# Altium PCB PCB.PcbDoc
Units mil, origin at the board's own origin, x right, y up, seen from the top; angles counter-clockwise.
Board outline 7677.17 x 4527.56 mil, 2 copper layers (Top Layer, Bottom Layer); 46 components, 43 nets, 171 pads, 2 vias.
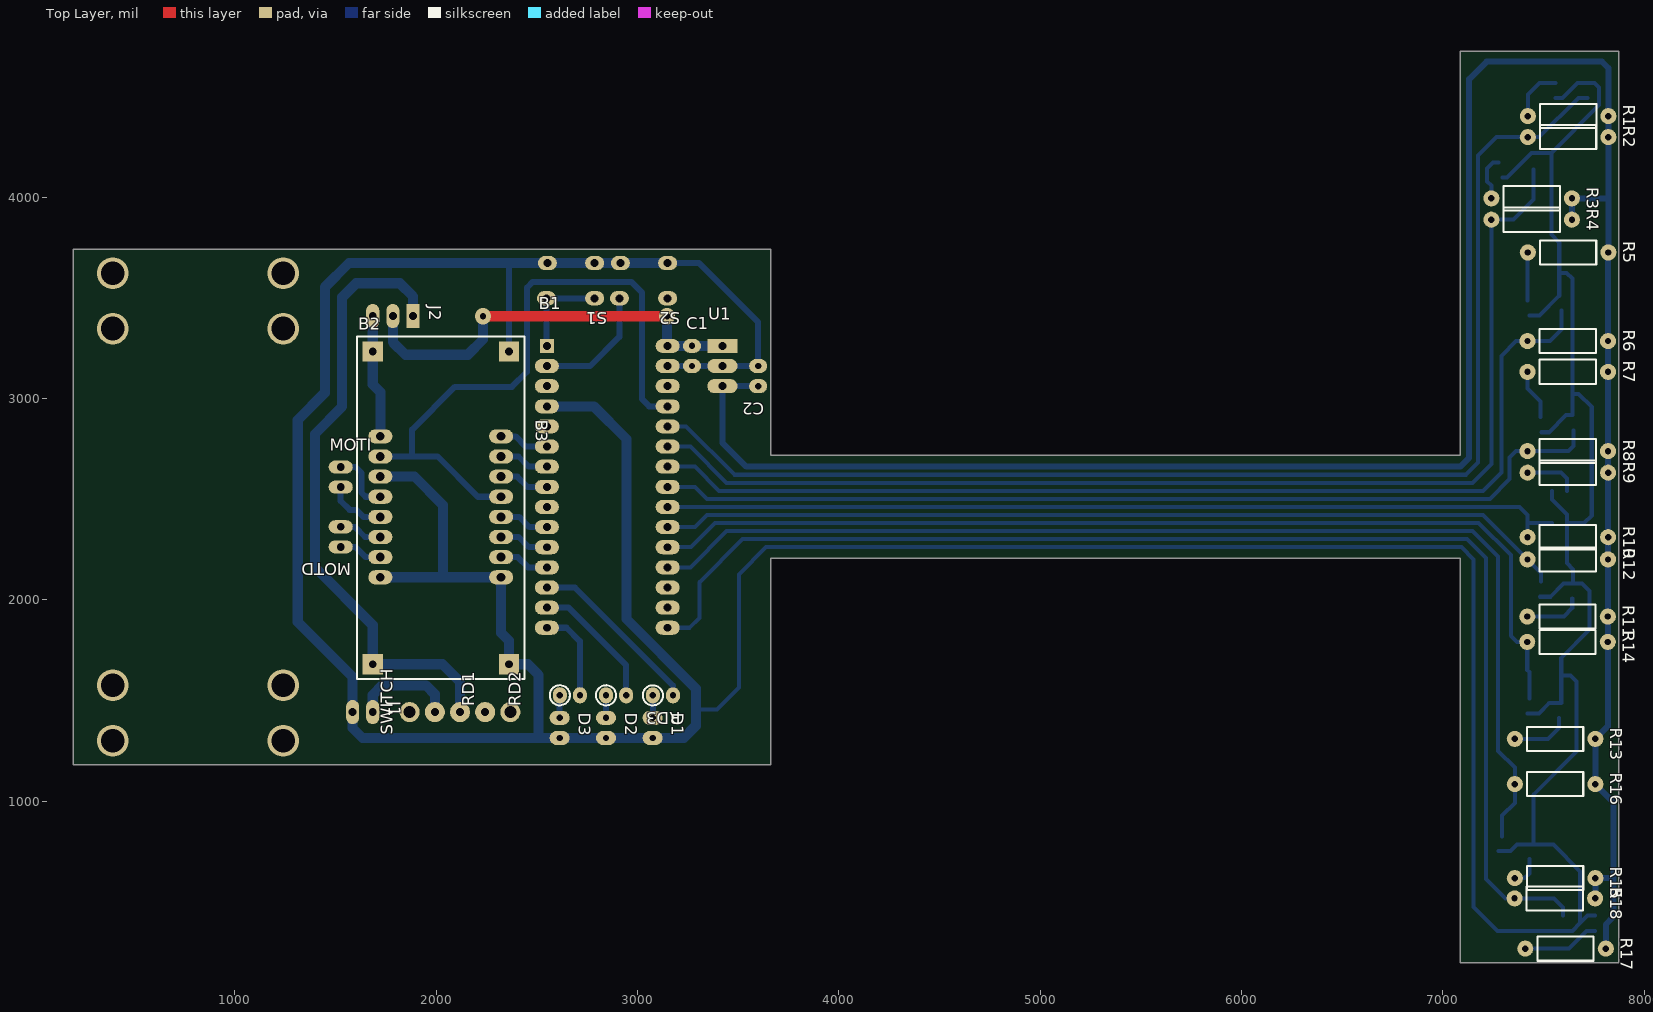
[diagram p0: Top Layer view]
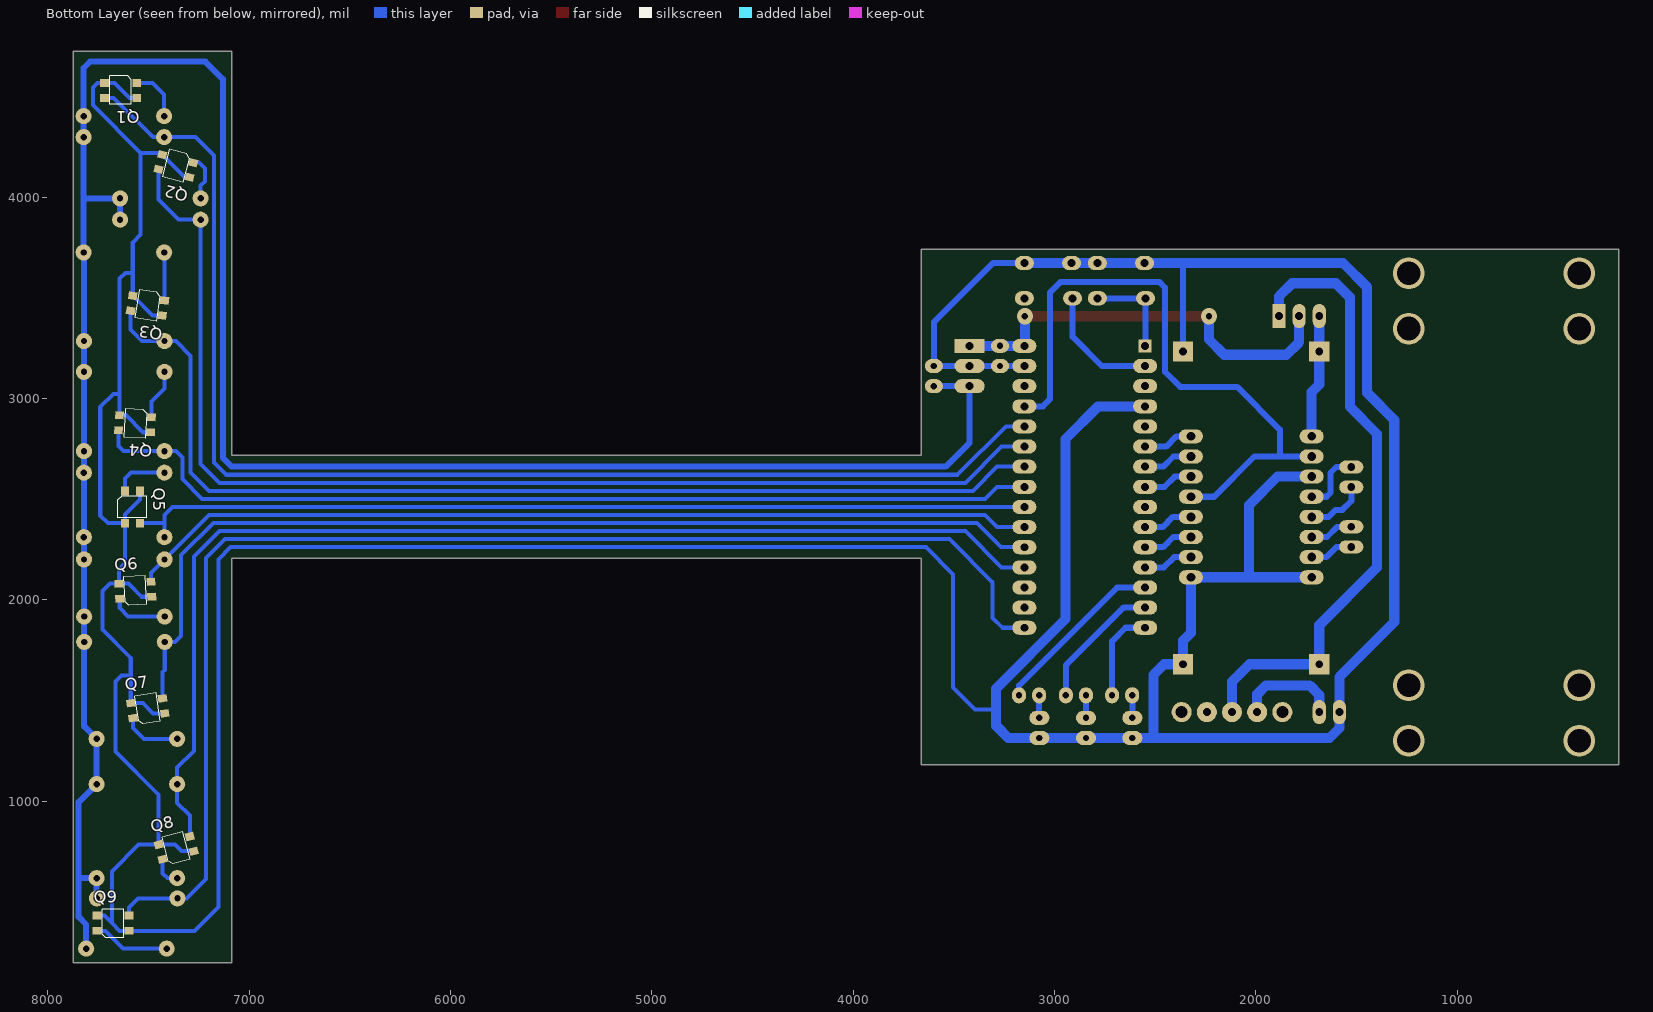
[diagram p1: Bottom Layer view, seen from below]

## Layer stack, top to bottom
Top Solder: solder mask 0.4, Solder Resist, Dk 3.5
Top Layer: signal copper 1.4
Dielectric 1: dielectric 12.6, FR-4, Dk 4.8
Bottom Layer: signal copper 1.4
Bottom Solder: solder mask 0.4, Solder Resist, Dk 3.5

## Board outline
196.85,1181.1 196.85,3740.16 3661.42,3740.16 3661.42,2716.54 7086.61,2716.54 7086.61,4724.41 7874.02,4724.41 7874.02,196.85 7086.61,196.85 7086.61,2204.72 3661.42,2204.72 3661.42,1181.1

## Design rules (kind name [scope] priority, off if disabled: settings)
Clearance [All] p1: gap=10
PolygonConnect [All] p1: connectstyle=Relief reliefconductorwidth=10 reliefentries=4 polygonreliefangle="90 Angle" airgapwidth=10
RoutingVias [All] p1: holewidth=31.5 width=80 viastyle="Through Hole" minholewidth=31.5 minwidth=80 maxholewidth=31.5 maxwidth=80
SolderMaskExpansion [All] p1: expansion=4
Width [All] p1: maxlimit=50 minlimit=20 preferedwidth=30
30 further rules are at their usual default settings.

## Components (designator, comment, footprint, x,y, rotation, side; value= is the part's Value field where it differs from the comment)
B1 "ARDUINO NANO" "ARDUINO NANO" 2849.61,2560.63 r0 top
B2 "XL6009" "XL6009 MDL" 1987.6,2461.26 r90 top
B3 "ROB-14450" ROB14450 2022.44,2461.42 r270 top
C1 "CAP-CER" CAP-CER 3270.83,3225.63 r90 top
C2 "CAP-CER" CAP-CER 3599.21,3095.63 r270 top
D1 "LED" LED-3MM-GREEN 3074.94,1363.08 r270 top
D2 "LED" LED-3MM-YELLOW 2843.68,1363.1 r270 top
D3 "LED" LED-3MM-RED 2613.2,1363.07 r270 top
J1 "Header 1x2" "HEADER 1x2" 1634.6,1441.93 r270 top
J2 "Jumper" "Header 1x3" 1884.6,3409.03 r270 top
MOTD "Header 1x2" "HEADER 1x2" 1525.59,2312.2 r180 top
MOTI "Header 1x2" "HEADER 1x2" 1525.59,2609.06 r0 top
Q1 "QRE1113GR" QRE1113GR 7638.19,4528.74 r0 bottom
Q2 "QRE1113GR" QRE1113GR 7363.36,4153.65 r14.5 bottom
Q3 "QRE1113GR" QRE1113GR 7504.46,3460.09 r8.5 bottom
Q4 "QRE1113GR" QRE1113GR 7566.12,2873.43 r3.5 bottom
Q5 "QRE1113GR" QRE1113GR 7578.74,2460.63 r270 bottom
Q6 "QRE1113GR" QRE1113GR 7566.13,2047.83 r176.5 bottom
Q7 "QRE1113GR" QRE1113GR 7504.47,1461.17 r171.5 bottom
Q8 "QRE1113GR" QRE1113GR 7363.36,767.61 r165.5 bottom
Q9 "QRE1113GR" QRE1113GR 7677.17,393.7 r180 bottom
R1 "RES" RES-Axial-400mil 7422.44,4401.97 r0 top
R2 "RES" RES-Axial-400mil 7422.05,4297.64 r0 top
R3 "RES" RES-Axial-400mil 7241.34,3993.7 r0 top
R4 "RES" RES-Axial-400mil 7241.34,3887.4 r0 top
R5 "RES" RES-Axial-400mil 7422.05,3724.72 r0 top
R6 "RES" RES-Axial-400mil 7420.55,3284.65 r0 top
R7 "RES" RES-Axial-400mil 7420.55,3131.89 r0 top
R8 "RES" RES-Axial-400mil 7420.55,2737.8 r0 top
R9 "RES" RES-Axial-400mil 7420.87,2630.71 r0 top
R10 "RES" RES-Axial-400mil 7420.87,2310.24 r0 top
R11 "RES" RES-Axial-400mil 7419.39,1916.14 r0 top
R12 "RES" RES-Axial-400mil 7420.47,2200 r0 top
R13 "RES" RES-Axial-400mil 7357.48,1308.66 r0 top
R14 "RES" RES-Axial-400mil 7419.29,1790.16 r0 top
R15 "RES" RES-Axial-400mil 7357.48,616.93 r0 top
R16 "RES" RES-Axial-400mil 7357.48,1083.86 r0 top
R17 "RES" RES-Axial-400mil 7409.45,266.54 r0 top
R18 "RES" RES-Axial-400mil 7356.3,516.54 r0 top
RD1 "RES" RES-RADIAL 2663.82,1525.3 r180 top
RD2 "RES" RES-RADIAL 2893.51,1525.08 r180 top
RD3 "RES" RES-RADIAL 3125.95,1524.91 r180 top
S1 "BUTTON_SMALL_4PIN" TACT_SWITCH-SMALL-4PIN 2787.17,3672.12 r180 top
S2 "BUTTON_SMALL_4PIN" TACT_SWITCH-SMALL-4PIN 3149.61,3672.12 r180 top
SWITCH "SLIDE-SWITCH" SWITCH 2118.11,1441.93 r180 top
U1 "LM7805" TO-220-STRAIGHT 3421.65,3260.63 r0 top

## Footprints (in the part's own frame and the unit in brackets; to place one, negate y for a bottom-side part, rotate by r counter-clockwise, add the part's x,y. Pads: shape width x height; smd on the part's side, far side on the other; paste and mask are expansions set on the pad)
"ARDUINO NANO" [mil]
  rect 70x70 / inner round 63.62 / far side rect 63.62x63.62 hole 39.37: 1(-300,700)
  oval 120x70 hole 39.37: 2(-300,600) 3(-300,500) 4(-300,400) 5(-300,300) 6(-300,200) 7(-300,100) 8(-300,0) 9(-300,-100) 10(-300,-200) 11(-300,-300) 12(-300,-400) 13(-300,-500) 14(-300,-600) 15(-300,-700) 16(300,-700) 17(300,-600) 18(300,-500) 19(300,-400) 20(300,-300) 21(300,-200) 22(300,-100) 23(300,0) 24(300,100) 25(300,200) 26(300,300) 27(300,400) 28(300,500) 29(300,600) 30(300,700)
  body extent -351,-924 358,847, height 496
CAP-CER [mil]
  oval 70x90 hole 31.5: 1(-65,0) 2(35,0)
  body extent -107,-44 87,34, height 207
"HEADER 1x2" [mil]
  oval 120x65 hole 39.37: 1(0,50) 2(0,-50)
  body extent -49,-100 49,100, height 336
"Header 1x3" [mil]
  rect 120x65 hole 39.37: 1(0,0)
  oval 120x65 hole 39.37: 2(0,-100) 3(0,-200)
  body extent -49,-250 49,50, height 336
LED-3MM-GREEN [mil]
  oval 70x100 hole 31.5: A(-50,0) K(50,0)
  body extent -66,-65 64,65, height 217
LED-3MM-RED [mil]
  oval 70x100 hole 31.5: A(-50,0) K(50,0)
  body extent -66,-65 64,65, height 217
LED-3MM-YELLOW [mil]
  oval 70x100 hole 31.5: A(-50,0) K(50,0)
  body extent -66,-65 64,65, height 217
QRE1113GR [mm]
  rect 1.1x1 smd: A(-2.01,-0.97) C(2.04,0.94) E(-2.01,0.94) K(2.04,-0.97)
  silkscreen extent -1.35,-1.85 1.35,1.75, body extent -2.4,-1.8 2.4,1.8, height 1.83
RES-Axial-400mil [mil]
  round 80 hole 31.5: 1(0,0) 2(400,0)
  silkscreen extent 60,-60 340,60, body extent -12,-44 410,44, height 94
RES-RADIAL [mil]
  oval 70x80 hole 31.5: 1(-50,0) 2(50,0)
  silkscreen extent 0,-50 100,50, body extent -100,-50 100,50
ROB14450 [mil]
  oval 70x120 hole 43.7: 1(-350,-300) 2(-250,-300) 3(-150,-300) 4(-50,-300) 5(50,-300) 6(150,-300) 7(250,-300) 8(350,-300) 9(-350,300) 10(-250,300) 11(-150,300) 12(-50,300) 13(50,300) 14(150,300) 15(250,300) 16(350,300)
  body extent -400,-400 400,400, height 236
SWITCH [mm]
  round 2.54 hole 1: 1(-3.175,0) 2(0,0) 3(3.175,0)
  round 2.54 hole 1.5: 4(-6.35,0) 4(6.35,0)
  body extent -7,-3.1 7,3.1, height 9.65
TACT_SWITCH-SMALL-4PIN [mm]
  oval 2.4x1.8 hole 1: 1(0,4.445) 1(6.096,4.445) 2(0,0) 2(5.969,0)
  body extent -0.94,-0.79 7.04,5.21, height 5.15
TO-220-STRAIGHT [mil]
  rect 150x70 hole 39.37: 1(0,0)
  oval 150x70 hole 39.37: 2(0,-100) 3(0,-200)
  body extent -64,-305 114,101, height 661
"XL6009 MDL" [mil]
  rect 100x100 hole 39.37: 0(-782,303) 1(-782,-373) 2(772,-373) 3(772,303)
  silkscreen extent -855,-450 845,380, body extent -855,-450 845,380, height 502

## Part data
B2: library part "XL6009 Module"
B3: "Power Management IC Development Tools SparkFun MotorDriver Dual TB6612FNG Head."
J2: library part "Header 1x3"
U1: library part LM78XX

## Free pads (board coordinates)
  round 157.48 hole 118.11: 0(393.7,1299.21) 1(393.7,3622.05) 2(393.7,1574.8) 3(393.7,3346.46) 4(1240.16,3622.05) 5(1240.16,3346.46) 6(1240.16,1574.8) 7(1240.16,1299.21)

## Via types
v1: diameter 80, hole 31.5, Top Layer to Bottom Layer, 2 vias

## Nets (pads, with @x,y where several pads share a name; then routed paths per layer and width w, separated by ;. In a path a pad name is that pad's centre, name@x,y a point inside that pad or via, vN(x,y) a via of type N, cw(c..) or ccw(c..) an arc to the next point about the centre after c; other vN are vias at no path point)
BAT: B2.0 J2.1 SWITCH.2 | length 3123.7
  Bottom Layer w50: J2.1 1884.6,3506.79 1819.48,3571.9 1602.16,3571.9 1533.02,3502.76 1533.02,2959.08 1397.32,2823.38 1397.32,2160.97 1684.6,1873.68 B2.0 2031.37,1679.26 2118.11,1592.52 SWITCH.2
BTN1: B1.1 S1.1 | length 476.5
  Bottom Layer w30: B1.1@2547.17,3260.63 2547.17,3497.12 S1.1@2787.17,3497.12
BTN2: B1.2 S2.1 | length 613.7
  Bottom Layer w30: B1.2@2547.17,3160.63 B1.2 2764.1,3160.63 2909.61,3306.14 S2.1@2909.61,3497.12
GND: B1.4 B1.29 B2.1 B2.2 B3.3 B3.8 B3.16 C1.1 C2.1 D1.K D2.K D3.K J1.2 Q1.E Q1.K Q2.E Q2.K Q3.E Q3.K Q4.E Q4.K Q5.E Q5.K Q6.E Q6.K Q7.E Q7.K Q8.E Q8.K Q9.E Q9.K S1.2 S2.2 U1.2 | length 25742.4
  Bottom Layer w20: 3289.76,1454.72 3394.49,1454.72 3503.94,1564.17 3503.94,2125.98 3638.58,2260.63 7091.73,2260.63 7153.15,2199.21 7153.15,474.02 7271.65,355.51 Q9.K 7642.91,355.51 7681.69,394.29 ; Q8.K 7336.18,750.74 7369.06,783.62 Q8.E ; Q2.E 7318.83,4098.01 7440.11,4219.29 7539.37,4219.29 7776.38,4456.3 7776.38,4544.49 7753.94,4566.93 7668.5,4566.93 7593.31,4491.73 Q1.E ; Q7.K 7477.79,1435.27 7528.6,1486.08 Q7.E 7588.2,1622.44 ; Q3.E 7480.31,3411.79 Q3.K 7578.25,3623.62 ; Q6.K 7533.91,2014.62 7599.23,2079.94 Q6.E ; Q4.E 7526.54,2831.66 7611.33,2916.45 Q4.K 7643.96,3022.83 ; 7539.37,4210.73 7539.37,3813.78 7578.25,3774.9 7578.25,3623.62 ; Q5.E 7541.73,2497.64 7616.93,2422.44 Q5.K ; Q9.E 7718.11,430.71 7681.69,394.29 ; Q8.E 7548.66,783.62 7681.69,650.59 7681.69,394.29 ; Q8.E 7449.24,1031.13 7662.99,1244.88 7662.99,1593.31 7633.86,1622.44 7588.2,1622.44 ; 7578.25,3623.62 7614.96,3623.62 7643.96,3594.62 7643.96,3022.83 ; 7588.2,1622.44 7588.2,1710.25 7729.13,1851.18 7729.13,2042.13 7691.32,2079.94 Q6.E ; Q5.K 7701.57,2380.32 7739.76,2418.5 7739.76,2957.09 7674.02,3022.83 7643.96,3022.83 ; Q5.K 7616.93,2181.1 7647.37,2150.66 Q6.E
  Bottom Layer w30: B2.2 2360.6,3672.12 ; B1.29 C1.1 U1.2 C2.1 ; S2.2@3149.61,3672.12 3306.23,3672.12 3599.21,3379.13 3599.21,3168.3 C2.1@3606.88,3160.63
  Bottom Layer w50: B3.8 2033.03,2111.42 ; B3.3 1891.71,2611.42 2033.03,2470.09 2033.03,2111.42 ; B1.4 2783.07,2960.63 2945.28,2798.43 2945.28,1903.94 3289.76,1559.45 3289.76,1454.72 3289.76,1373.23 3229.61,1313.08 D1.K ; D1.K@3087.85,1313.11 D1.K D2.K 2614.37,1313.07 D3.K 2508.31,1313.07 ; S2.2@3149.61,3672.12 2914.61,3672.12 2787.17,3672.12 2552.17,3672.12 2360.6,3672.12 1566.37,3672.12 1446.56,3552.31 1446.56,3027.4 1312.28,2893.12 1312.28,1889.07 1584.6,1616.75 J1.2 1584.6,1362.27 1633.8,1313.07 2508.31,1313.07 ; 2033.03,2111.42 B3.16 2322.44,1835.03 2360.6,1796.88 B2.1 2455.98,1679.26 2508.31,1626.93 2508.31,1313.07
LED1: B1.13 RD3.1 | length 879
  Bottom Layer w30: B1.13@2547.17,2060.63 B1.13 2688.58,2060.63 3175.95,1573.27 RD3.1
LED2: B1.14 RD2.1 | length 664.6
  Bottom Layer w30: B1.14@2547.17,1960.63 B1.14 2657.98,1960.63 2943.51,1675.1 RD2.1
LED3: B1.15 RD1.1 | length 463
  Bottom Layer w30: B1.15@2547.17,1860.63 B1.15 2647.24,1860.63 2713.82,1794.05 RD1.1
MD1: B1.10 B3.13 | length 248.2
  Bottom Layer w30: B3.13 2412.2,2411.42 2462.99,2360.63 B1.10
MD2: B1.11 B3.14 | length 248.2
  Bottom Layer w30: B3.14 2409.06,2311.42 2459.84,2260.63 B1.11
MDP: B1.12 B3.15 | length 248.2
  Bottom Layer w30: B3.15 2405.91,2211.42 2456.69,2160.63 B1.12
MI1: B1.8 B3.11 | length 248.2
  Bottom Layer w30: B3.11 2402.76,2611.42 2453.54,2560.63 B1.8
MI2: B1.7 B3.10 | length 248.2
  Bottom Layer w30: B3.10 2408.66,2711.42 2459.45,2660.63 B1.7
MIP: B1.6 B3.9 | length 248.2
  Bottom Layer w30: B3.9 2394.88,2811.42 2445.67,2760.63 B1.6
NetB3_4: B3.4 MOTI.1 | length 315.6
  Bottom Layer w30: MOTI.1 1600.03,2659.06 1629.02,2630.07 1629.02,2531.82 1649.42,2511.42 B3.4
NetB3_5: B3.5 MOTI.2 | length 298.4
  Bottom Layer w30: MOTI.2 1525.59,2490.16 1569.88,2445.87 1603.45,2445.87 1637.9,2411.42 B3.5
NetB3_6: B3.6 MOTD.2 | length 217.9
  Bottom Layer w30: MOTD.2 1595.51,2362.2 1646.29,2311.42 B3.6
NetB3_7: B3.7 MOTD.1 | length 217.9
  Bottom Layer w30: MOTD.1 1598.59,2262.2 1649.37,2211.42 B3.7
NetD1_A: D1.A RD3.2 | length 112.2
  Bottom Layer w30: D1.A 3075.95,1414.09 RD3.2
NetD2_A: D2.A RD2.2 | length 112
  Bottom Layer w30: RD2.2 2843.51,1413.26 D2.A
NetD3_A: D3.A RD1.2 | length 112.5
  Bottom Layer w30: D3.A 2613.19,1524.67 RD1.2
NetJ1_1: J1.1 SWITCH.3 | length 520.4
  Bottom Layer w50: J1.1 1684.6,1527.12 1732.28,1574.8 1948.82,1574.8 1993.11,1530.51 SWITCH.3
NetQ1_A: Q1.A R1.1 | length 267.2
  Bottom Layer w20: R1.1 7422.44,4509.06 7479.13,4565.75 Q1.A@7559.06,4565.75
NetQ2_A: Q2.A R3.1 | length 226.5
  Bottom Layer w20: R3.1 7241.34,4056.3 7220.08,4077.56 7220.08,4142.52 7248.37,4170.81 Q2.A
NetQ3_A: Q3.A R5.1 | length 237.1
  Bottom Layer w20: Q3.A R5.1@7420.55,3723.23
NetQ4_A: Q4.A R7.1 | length 251.8
  Bottom Layer w20: R7.1 7420.55,3047.95 7484.81,2983.7 Q4.A
NetQ5_A: Q5.A R9.1 | length 269.9
  Bottom Layer w20: R9.1 7587.8,2630.71 7616.93,2601.57 Q5.A
NetQ6_A: Q6.A R11.1 | length 287.4
  Bottom Layer w20: R11.1@7419.39,1916.54 7601.18,1916.54 7642.78,1958.14 Q6.A
NetQ7_A: Q7.A R13.1 | length 290.9
  Bottom Layer w20: R13.1 7522.83,1308.66 7577.09,1362.91 Q7.A
NetQ8_A: Q8.A R15.1 | length 152.9
  Bottom Layer w20: R15.1 7406.69,616.93 7430.41,640.65 Q8.A
NetQ9_A: Q9.A R17.1 | length 383.7
  Bottom Layer w20: R17.1 7625.59,266.54 7714.57,355.51 Q9.A
Q1: B1.26 Q1.C R2.1 | length 6337
  Bottom Layer w20: B1.26 3241.73,2860.63 3481.73,2620.63 7115.12,2620.63 7175.59,2681.1 7175.59,4206.69 7266.54,4297.64 R2.1 7478.74,4297.64 7672.83,4491.73 Q1.C
Q2: B1.25 Q2.C R4.1 | length 5819.6
  Bottom Layer w20: B1.25 3262.99,2760.63 3442.99,2580.63 7147.95,2580.63 7241.34,2674.02 R4.1 7350.79,3887.4 7450.38,3987 Q2.C
Q3: B1.24 Q3.C R6.1 | length 5254.2
  Bottom Layer w20: B1.24 3284.25,2660.63 3404.25,2540.63 7199.69,2540.63 7290.94,2631.89 7290.94,3211.02 7364.57,3284.65 R6.1 7532.28,3284.65 7589.37,3341.73 Q3.C
Q4: B1.23 Q4.C R8.1 | length 4774.4
  Bottom Layer w20: B1.23 3285.83,2560.63 3345.83,2500.63 7233.31,2500.63 7331.5,2598.82 7331.5,2706.69 7362.6,2737.8 R8.1 7624.02,2737.8 7648.55,2762.33 Q4.C
Q5: B1.22 Q5.C R10.1 | length 4519.5
  Bottom Layer w20: B1.22 7381.5,2460.63 7420.87,2421.26 7420.87,2380.31 ; R10.1 7420.87,2380.31 ; Q5.C 7420.87,2380.31
Q6: B1.21 Q6.C R12.1 | length 4525.5
  Bottom Layer w20: B1.21 3285.83,2360.63 3345.83,2420.63 7199.84,2420.63 R12.1 7488.22,2132.25 Q6.C
Q7: B1.20 Q7.C R14.1 | length 5083.4
  Bottom Layer w20: B1.20 3264.57,2260.63 3384.57,2380.63 7178.03,2380.63 7337.8,2220.87 7337.8,1820.87 7368.5,1790.16 R14.1 7419.29,1651.18 7430.5,1639.97 Q7.C
Q8: B1.19 Q8.C R16.1 | length 5702.7
  Bottom Layer w20: B1.19 3262.99,2160.63 3442.99,2340.63 7147.95,2340.63 7274.41,2214.17 7274.41,1249.21 7357.48,1166.14 R16.1 7357.48,990.94 7294.87,928.33 Q8.C
Q9: B1.16 Q9.C R18.1 | length 6464.9
  Bottom Layer w20: B1.16 3258.27,1860.63 3307.09,1909.45 3307.09,2086.61 3521.1,2300.63 7119.84,2300.63 7214.17,2206.3 7214.17,613.39 7311.02,516.54 R18.1 7551.97,516.54 7596.85,471.65 Q9.C
VCC: C2.2 R1.2 R2.2 R3.2 R4.2 R5.2 R6.2 R7.2 R8.2 R9.2 R10.2 R11.2 R12.2 R13.2 R14.2 R15.2 R16.2 R17.2 R18.2 U1.3 | length 11792.5
  Bottom Layer w30: C2.2 U1.3 3421.65,2779.14 3540.16,2660.63 7086.61,2660.63 7130.71,2704.72 7130.71,4585.43 7218.11,4672.83 7790.55,4672.83 7822.44,4640.94 R1.2 7822.44,4298.03 R2.2 7822.05,3993.7 ; R4.2 R3.2 7822.05,3993.7 ; R18.2 7757.48,517.72 R15.2 7839.76,616.93 7847.24,624.41 ; R17.2 7809.45,386.61 7847.24,424.41 7847.24,624.41 ; 7822.05,3993.7 R5.2 7820.55,3723.23 R6.2 R7.2 R8.2 7820.55,2631.02 R9.2 R10.2 7820.87,2200.39 R12.2 7820.47,1917.22 R11.2 7819.39,1790.26 R14.2 7819.29,1370.47 R13.2 R16.2 7847.24,994.09 7847.24,624.41
VIN: B1.30 C1.2 J2.2 U1.1 | length 2091.3
  Top Layer w50: v1(2232.04,3407.9) v1(3147.17,3407.9)
  Bottom Layer w50: J2.2 1784.6,3279.1 1847.11,3216.6 2156.71,3216.6 2232.04,3291.93 v1(2232.04,3407.9) ; v1(3147.17,3407.9) 3147.17,3260.63 B1.30 C1.2@3274.8,3260.63 ; C1.2 U1.1
VLOG: B1.27 B3.2 B3.12 | length 3200.5
  Bottom Layer w30: B3.2 1879.91,2711.42 ; B3.12 2206.67,2511.42 2006.67,2711.42 1879.91,2711.42 ; B1.27 3057.87,2960.63 3021.26,2997.24 3021.26,3526.38 2969.2,3578.44 2479.07,3578.44 2450.87,3550.24 2450.87,3132.11 2375.71,3056.95 2092.25,3056.95 1879.91,2844.6 1879.91,2711.42
VMOT: B2.3 B3.1 J2.3 | length 613.3
  Bottom Layer w50: J2.3 B2.3 1684.6,3068.97 1722.44,3031.12 B3.1
pads on no net: B1.3 B1.5 B1.9 B1.17 B1.18 B1.28 SWITCH.1 SWITCH.4

## Silkscreen, mask and mechanical layers (free items; w line width, h text height)
Mechanical 1:
  lines w10: 196.85,1181.1 3661.42,1181.1 3661.42,2204.72 5905.51,2204.72 7086.61,2204.72 7086.61,196.85 7874.02,196.85 7874.02,4724.41 7086.61,4724.41 7086.61,2716.54 5905.51,2716.54 3661.42,2716.54 3661.42,3740.16 196.85,3740.16 196.85,1181.1
Mechanical 2:
  lines w10: 196.85,2460.63 816.93,2460.63 ; 816.93,1181.1 816.93,2460.63 ; 816.93,3740.16 816.93,2460.63 ; 1437.01,1181.1 1437.01,3740.16 ; 7086.61,1082.68 7874.02,1082.68 ; 7086.61,2066.93 7874.02,2066.93 ; 7086.61,2854.33 7874.02,2854.33 ; 7086.61,3838.58 7874.02,3838.58 ; 7874.02,2460.63 1437.01,2460.63 816.93,2460.63